# KiCad board everestCM4.kicad_pcb
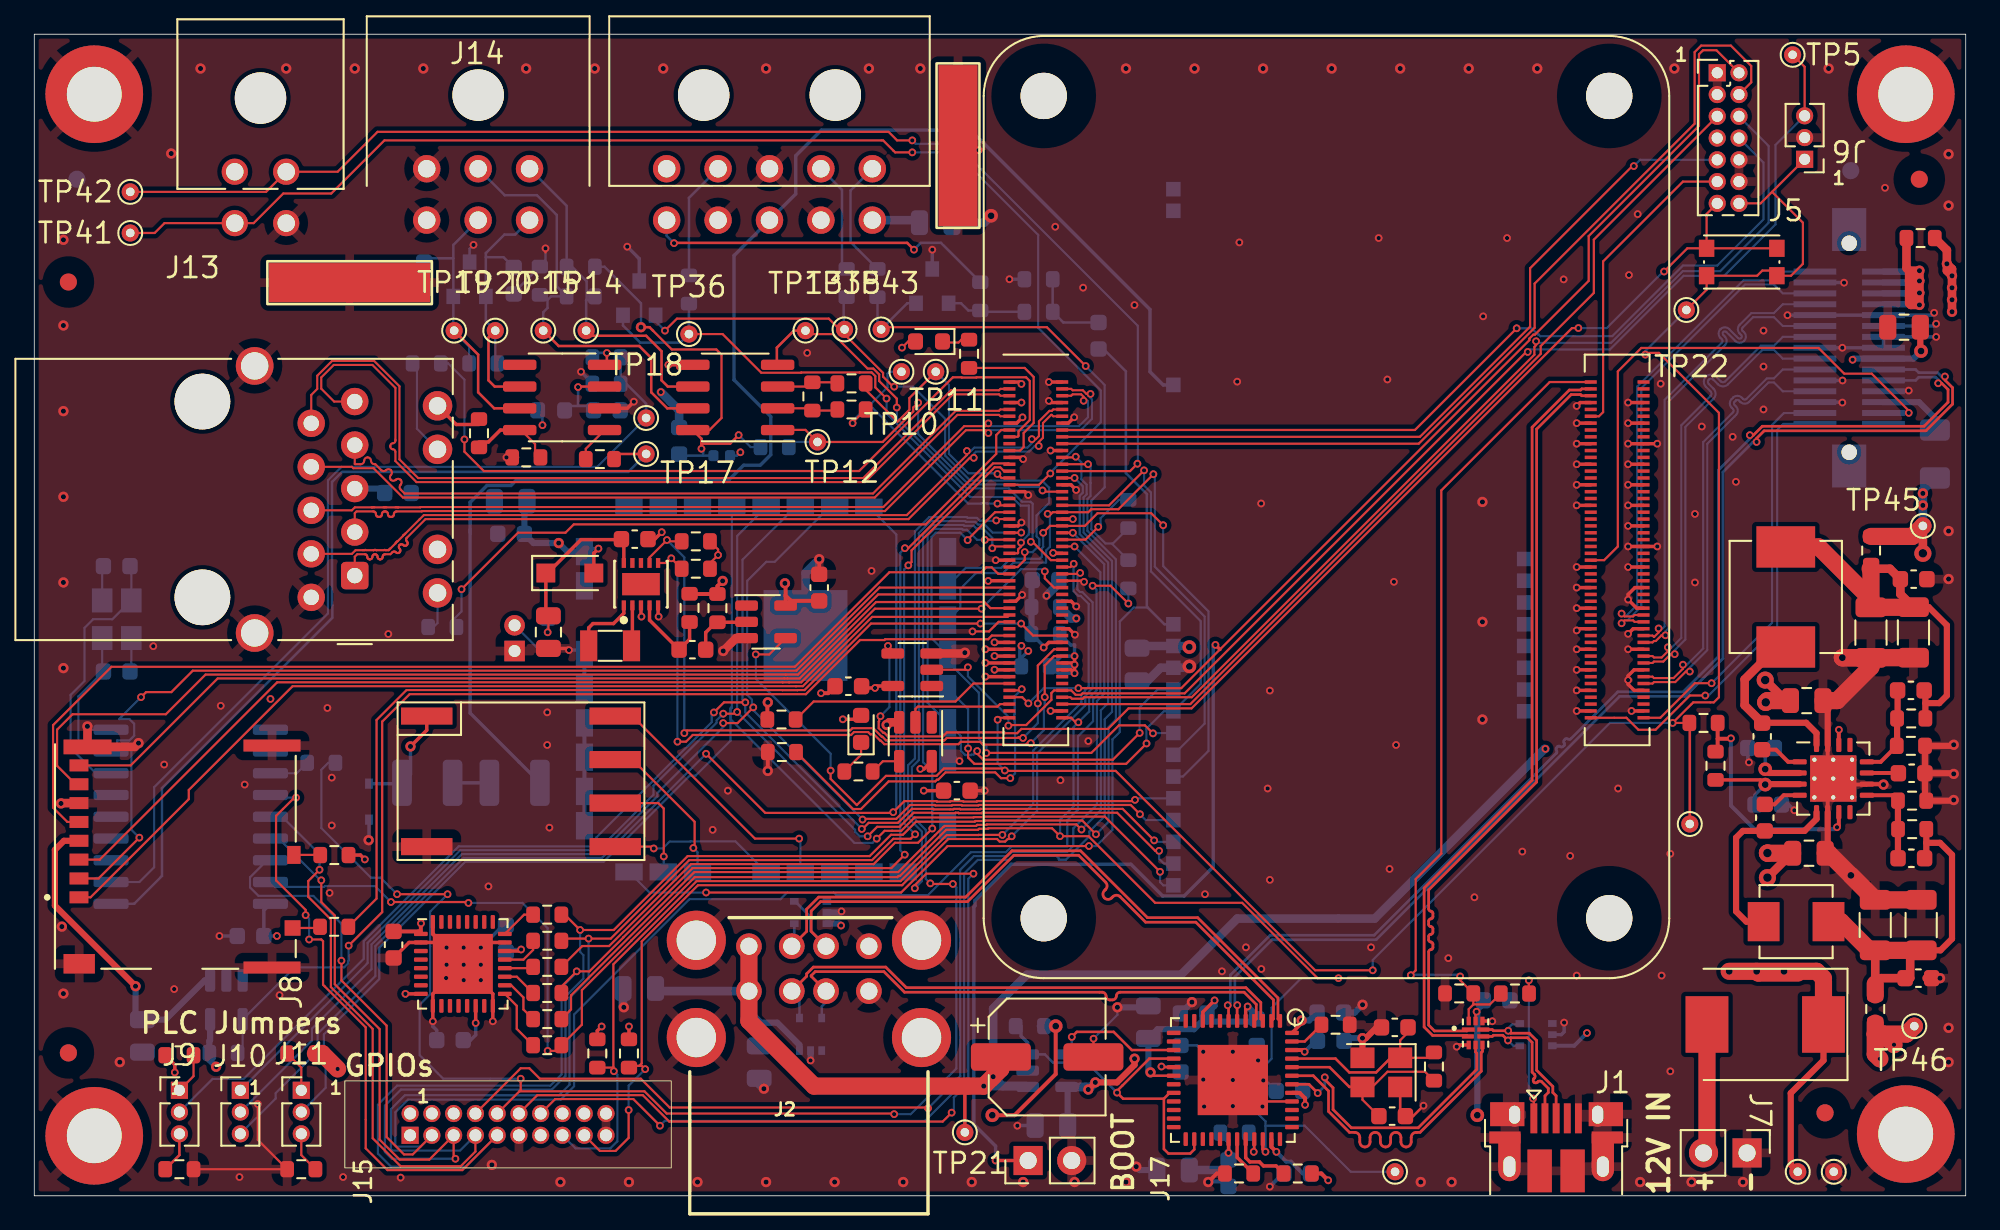
[diagram p0: board, top side]
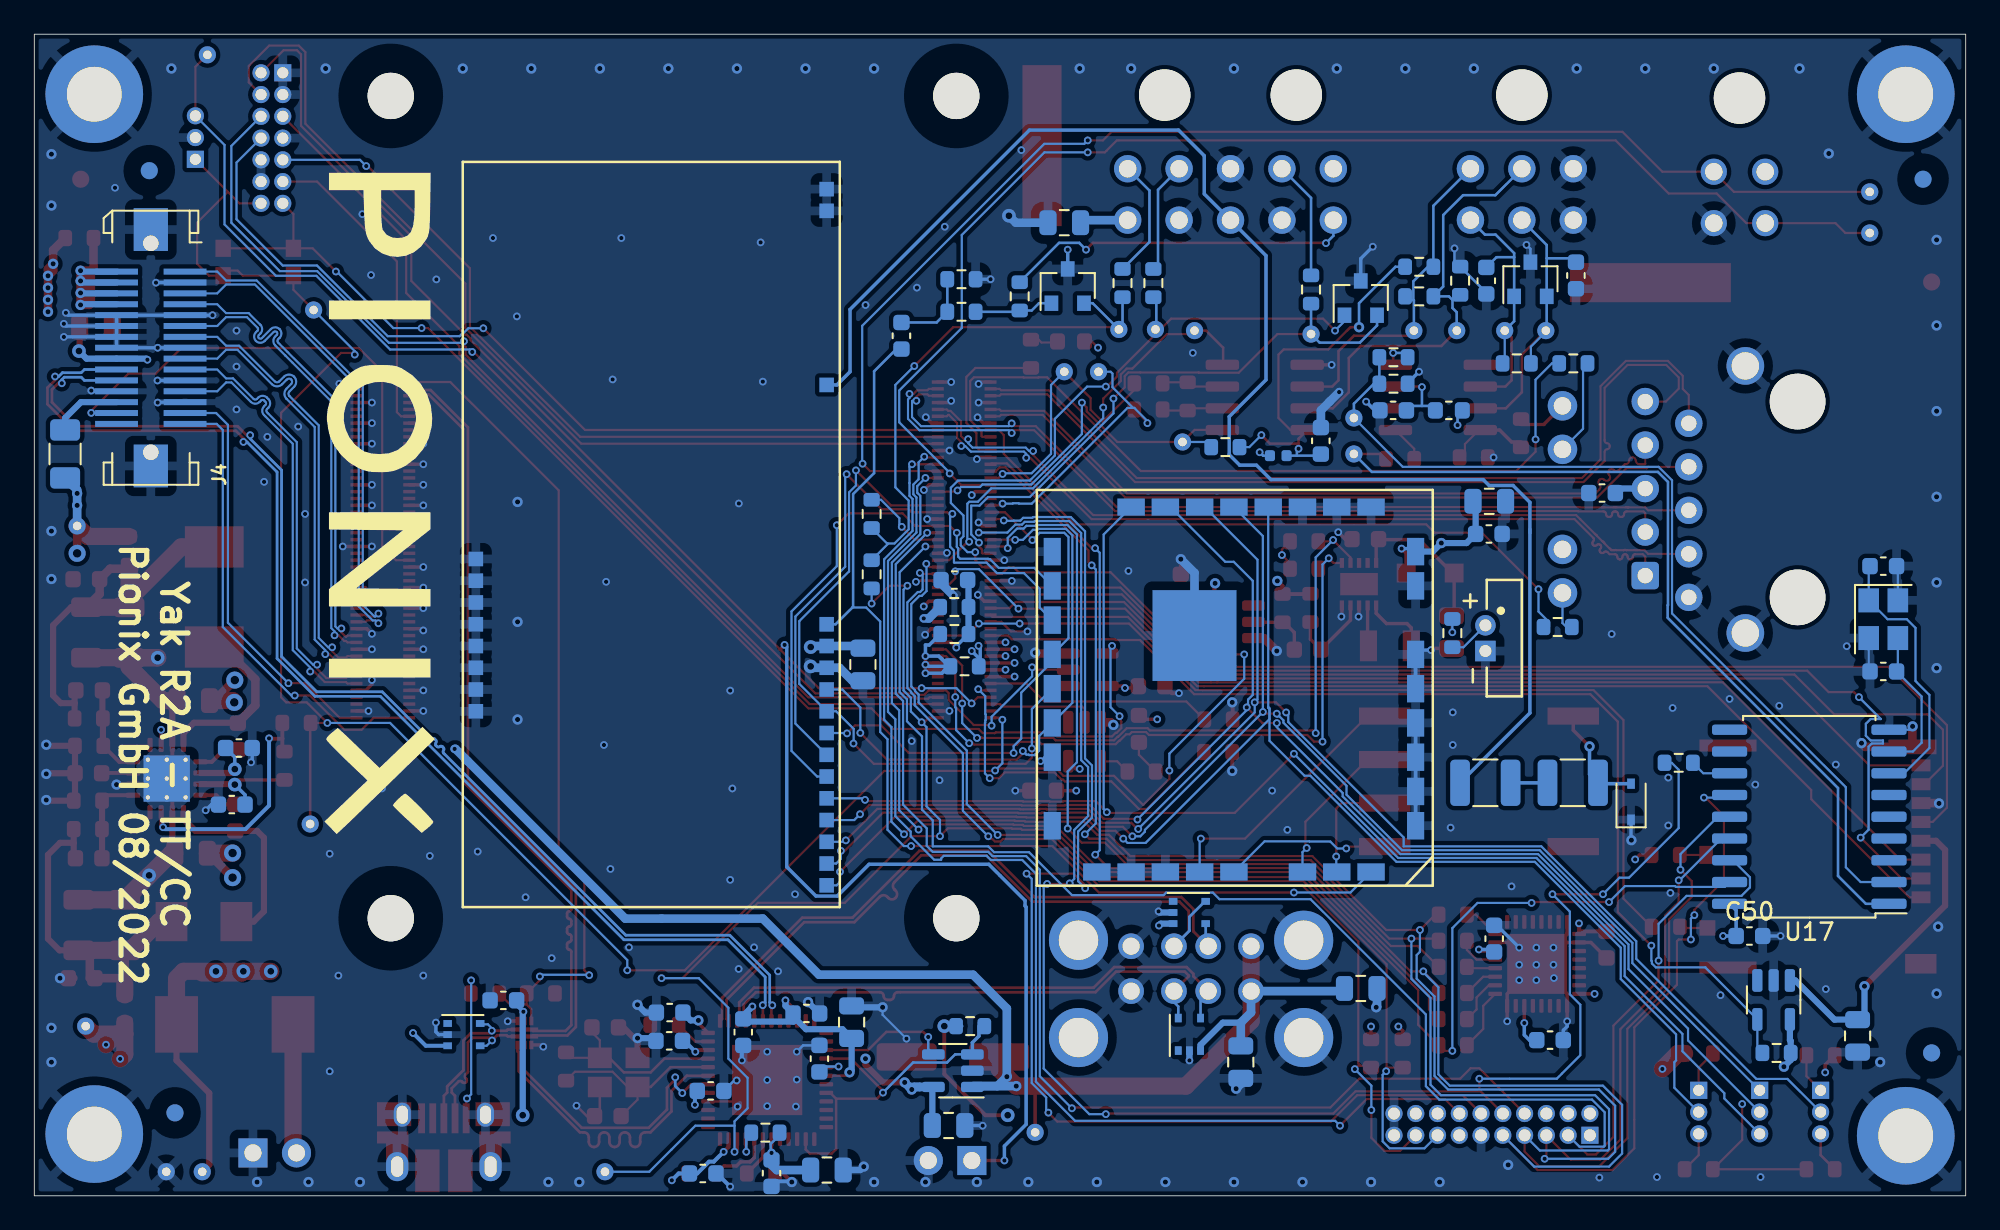
[diagram p1: board, bottom side, seen from below]

Outline 112.7 x 67.8 mm; copper layers: Top, In1.Cu, In2.Cu, Bottom. Coordinates in mm from the lower left corner of the outline.
Outline path: rectangle 0,67.8 112.7,0
Stack: Top 0.035mm / dielectric 0.14mm FR4 er 3.95 / In1.Cu 0.035mm / dielectric 1.2mm FR4 er 3.95 / In2.Cu 0.035mm / dielectric 0.14mm FR4 er 3.95 / Bottom 0.035mm

## Placement (name value [footprint] x y rotation side)
BT1  ML-621S_DN  [Panasonic-ML-621S_DN-0-0-MFG]  26.93 32.55 270 bottom
C1  10uF  [C_0805_2012Metric]  65.01 10.13 90 bottom
C2  18pF  [C_0603_1608Metric]  79.38 9.83 180 top
C3  10uF  [C_0805_2012Metric]  66.45 1.5 180 bottom
C4  100nF  [C_0603_1608Metric]  73.7 1.3 180 bottom
C5  18pF  [C_0603_1608Metric]  79.23 4.65 0 top
C6  100nF  [C_0603_1608Metric]  71.33 9.55 270 bottom
C7  100nF  [C_0603_1608Metric]  73.24 6.12 180 bottom
C8  100nF  [C_0603_1608Metric]  75.63 10.69 0 bottom
C9  100nF  [C_0603_1608Metric]  69.68 1.32 270 bottom
C10  100nF  [C_0603_1608Metric]  67.65 10.64 180 bottom
C11  10uF  [C_0805_2012Metric]  59.35 4.1 180 bottom
C12  100uF  [CP_Elec_6.3x3]  59.1 8.1 0 top
C13  10uF  [C_0805_2012Metric]  109.1 50.7 180 top
C14  10uF  [C_0805_2012Metric]  35.3 12.1 180 bottom
C15  10uF  [C_0805_2012Metric]  42.3 7.8 270 bottom
C16  100nF  [C_0603_1608Metric]  100.76 26.14 0 bottom
C17  100nF  [C_0603_1608Metric]  35.04 38.33 0 top
C18  100nF  [C_0603_1608Metric]  53.83 23.65 180 top
C19  100nF  [C_0603_1608Metric]  45.8 35.5 90 top
C20  100nF  [C_0603_1608Metric]  38.4 31.88 180 top
C21  100nF  [C_0603_1608Metric]  27.52 15.01 90 bottom
C22  100nF  [C_0603_1608Metric]  20.96 14.65 270 top
C23  1uF  [C_0603_1608Metric]  24.26 9.08 180 bottom
C24  10uF  [C_0805_2012Metric]  6.31 9.33 270 bottom
C25  100nF  [C_0603_1608Metric]  85.33 11.41 180 bottom
C26  100nF  [C_0603_1608Metric]  62.1 50.2 90 bottom
C27  10uF  [C_0805_2012Metric]  64.35 31.01 90 bottom
C28  2.7nF 2kV  [C_1210_3225Metric]  28.03 24.11 180 bottom
C29  2.7nF 2kV  [C_1210_3225Metric]  22.93 24.11 180 bottom
C30  DNF  [C_0603_1608Metric]  109.52 19.7 180 top
C31  22uF  [C_1206_3216Metric]  107.42 15.8 90 top
C32  100nF  [C_0603_1608Metric]  100.97 22.07 270 top
C33  10uF  [C_0805_2012Metric]  103.55 19.99 0 top
C34  100nF  [C_0603_1608Metric]  101.18 22.83 0 bottom
C35  1uF  [C_0603_1608Metric]  109.55 24.66 0 top
C36  10uF  [C_0805_2012Metric]  103.42 28.9 180 top
C37  100nF  [C_0603_1608Metric]  100.82 26.81 90 top
C38  22uF  [C_1206_3216Metric]  107.17 32.87 270 top
C39  DNF  [C_0603_1608Metric]  109.5 29.5 180 top
C40  10uF  [C_0805_2012Metric]  30 32.9 270 top
C41  22uF  [C_1206_3216Metric]  110.1 15.8 90 top
C42  22uF  [C_1206_3216Metric]  109.65 32.88 270 top
C43  100nF  [C_0603_1608Metric]  59.01 35.94 0 bottom
C44  100nF  [C_0603_1608Metric]  109.94 12.7 0 top
C45  100nF  [C_0603_1608Metric]  109.66 35.99 0 top
C46  1u  [C_0603_1608Metric]  75.65 9.04 180 bottom
C47  1u  [C_0603_1608Metric]  66.89 8 270 bottom
C48  18pF  [C_0603_1608Metric]  4.81 36.75 180 bottom
C49  18pF  [C_0603_1608Metric]  4.81 30.61 0 bottom
C50  100nF  [C_0603_1608Metric]  12.62 15.16 180 bottom
C53  10uF  [C_0805_2012Metric]  52.6 56.8 0 bottom
C54  100nF  [C_0603_1608Metric]  37.63 44.07 90 bottom
C58  100nF  [C_0603_1608Metric]  33.41 45.85 180 bottom
C59  DNF  [C_0603_1608Metric]  22.74 53.72 90 bottom
C60  DNF  [C_0603_1608Metric]  27.98 53.41 90 bottom
C61  100nF  [C_0603_1608Metric]  47.5 29.74 0 top
C63  100nF  [C_0603_1608Metric]  21.22 41.02 0 bottom
C64  10uF  [C_0805_2012Metric]  27.8 40.54 180 bottom
C65  100nF  [C_0603_1608Metric]  27.82 38.63 180 bottom
D1  RB160MM-30TFTR  [D_SOD-123F]  31.25 36.35 0 top
D2  LED Green  [LED_0603_1608Metric]  52.21 49.87 180 top
D3  LED Red  [LED_0603_1608Metric]  48.24 27.25 90 top
D4  SS32+  [D_SMC]  101 10 180 top
D5  SM3.3H-TP  [SOT-23]  52.4 53.1 90 bottom
D6  SM3.3H-TP  [SOT-23]  35.3 52.4 90 bottom
D8  RESD1CANYFHT116  [SOT-23]  25.4 53.5 90 bottom
D9  GBLC03C  [D_SOD-323]  19.53 23 90 bottom
F2  1206L050  [Fuse_1206_3216Metric]  110.9 43.3 270 bottom
FID1  Fiducial  [Fiducial_1mm_Mask3mm]  104.49 4.84 0 top
FID2  Fiducial  [Fiducial_1mm_Mask3mm]  1.99 8.34 180 bottom
FID3  Fiducial  [Fiducial_1mm_Mask3mm]  2.49 59.34 180 bottom
FID4  Fiducial  [Fiducial_1mm_Mask3mm]  109.99 59.34 0 top
FID5  Fiducial  [Fiducial_1mm_Mask3mm]  1.99 8.34 0 top
FID6  Fiducial  [Fiducial_1mm_Mask3mm]  1.99 53.34 0 top
FID7  Fiducial  [Fiducial_1mm_Mask3mm]  105.99 59.84 180 bottom
FID8  Fiducial  [Fiducial_1mm_Mask3mm]  104.49 4.84 180 bottom
G***  LOGO  [pionix-logo]  92.54 40.41 270 bottom
H1  MountingHole_Pad  [MountingHole_3.2mm_M3_ISO7380_Pad]  3.5 64.3 0 top
H2  MountingHole_Pad  [MountingHole_3.2mm_M3_ISO7380_Pad]  3.5 3.5 0 top
H3  MountingHole_Pad  [MountingHole_3.2mm_M3_ISO7380_Pad]  109.2 64.3 0 top
H4  MountingHole_Pad  [MountingHole_3.2mm_M3_ISO7380_Pad]  109.2 3.6 0 top
J1  USB_OTG  [USB_Micro-B_EDAC_UCON00686]  88.8 1.7 0 top
J2  690-008-221-904  [MOLEX_USB_67298-4090]  45.2 9.23 0 top
J3  WR-MPC3-Male-THT-10  [66201021022]  42.9 59.95 180 top
J4  52901-0374  [Molex_SlimStack_52901-0374_2x15_P0.635mm_Vertical]  105.9 49.5 270 bottom
J5  Conn_02x07_Odd_Even  [PinHeader_2x07_P1.27mm_Vertical]  98.2 65.55 0 top
J6  Conn_01x03  [PinHeader_1x03_P1.27mm_Vertical]  103.3 60.5 180 top
J7  Conn_01x02  [PinHeader_1x02_P2.54mm_Vertical]  99.94 2.5 270 top
J8  Micro_SD_Card_Det  [SDCARD_MOLEX_503398-1892]  8.23 19.8 90 top
J9  GPIO2  [PinHeader_1x03_P1.27mm_Vertical]  8.47 6.16 0 top
J10  GPIOs  [PinHeader_1x03_P1.27mm_Vertical]  12.02 6.16 0 top
J11  GPIO0  [PinHeader_1x03_P1.27mm_Vertical]  15.58 6.16 0 top
J12  Conn_01x01  [S2711-46R_SheildClip]  53.9 61.3 90 top
J13  WR-MPC3-Male-THT-4  [66200421022]  13.2 64.07 180 top
J14  WR-MPC3-Male-THT-6  [66200621022]  25.9 59.95 180 top
J15  Conn_02x10_Odd_Even  [WE62702021621_PinSocket_2x10_P1.27mm_Vertical]  21.93 4.8 90 top
J16  Conn_01x01  [S2711-46R_SheildClip]  18.4 53.3 0 top
J17  Conn_01x02_Male  [PinHeader_1x02_P2.54mm_Vertical]  57.99 2.06 90 top
L2  2A/0.05DCR  [L_0402_1005Metric]  40.12 43.2 180 bottom
L3  2A/0.05DCR  [L_0603_1608Metric]  30.16 45.85 180 bottom
L4  2.2uH  [L_Vishay_IHLP-1616]  102.8 16 180 top
L5  4.7uH  [L_Vishay_IHLP-2525]  102.2 34.95 90 top
Module2  ComputeModule4  [Raspberry-Pi-4-Compute-Module]  58.9 16.2 0 top
R1  0R  [R_0603_1608Metric]  63.84 39.8 270 bottom
R2  DNF  [R_0603_1608Metric]  63.84 36.27 270 bottom
R3  2.2K  [R_0603_1608Metric]  83.14 11.81 180 top
R4  2.2K  [R_0603_1608Metric]  86.4 11.8 180 top
R5  10K  [R_0603_1608Metric]  70.3 1.3 180 top
R6  10K  [R_0603_1608Metric]  70.04 3.68 180 bottom
R7  1K  [R_0603_1608Metric]  29.96 32.84 90 bottom
R8  12K 1%  [R_0603_1608Metric]  75.93 9.98 180 top
R9  10K  [R_0603_1608Metric]  73.73 1.3 0 top
R10  DNF  [R_0603_1608Metric]  58.09 9.9 180 bottom
R11  0R  [R_0603_1608Metric]  107.42 10.9 270 top
R12  510K 1%  [R_0603_1608Metric]  38.24 34.31 90 top
R13  510K 1%  [R_0603_1608Metric]  39.86 34.3 90 top
R14  2.2K  [R_0603_1608Metric]  38.6 38.2 180 top
R15  2.2K  [R_0603_1608Metric]  38.6 36.6 180 top
R16  2.2K  [R_0603_1608Metric]  32.85 8.3 270 top
R17  2.2K  [R_0603_1608Metric]  34.7 8.3 270 top
R18  DNF  [R_0603_1608Metric]  58.42 30.91 180 bottom
R19  1K  [R_0603_1608Metric]  54.54 49.15 270 top
R20  DNF  [R_0603_1608Metric]  43.6 27.8 180 top
R21  DNF  [R_0603_1608Metric]  43.62 25.9 180 top
R22  1K  [R_0603_1608Metric]  48.09 24.76 0 top
R23  DNF  [R_0603_1608Metric]  17.51 19.89 180 top
R24  DNF  [R_0603_1608Metric]  17.5 15.7 180 top
R25  470R  [R_0603_1608Metric]  22.9 48.59 180 bottom
R26  470R  [R_0603_1608Metric]  23.81 33.2 180 bottom
R27  12K 1%  [R_0603_1608Metric]  11.04 8.34 0 bottom
R28  10K  [R_0603_1608Metric]  8.47 8.2 180 top
R29  10K  [R_0603_1608Metric]  8.47 1.55 180 top
R30  10K  [R_0603_1608Metric]  58.6 51.6 0 bottom
R31  10K  [R_0603_1608Metric]  58.6 53.5 180 bottom
R32  10K  [R_0603_1608Metric]  15.58 8.3 0 top
R33  10K  [R_0603_1608Metric]  15.58 1.55 0 top
R34  DNF  [R_0603_1608Metric]  25.95 44.51 270 top
R35  1K  [R_0603_1608Metric]  16.75 25.27 0 bottom
R36  1M  [R_0603_1608Metric]  81.67 7.54 270 top
R37  0R  [R_0603_1608Metric]  110.07 55.9 0 top
R38  73.2K  [R_0603_1608Metric]  109.58 21.4 180 top
R39  22.1K  [R_0603_1608Metric]  109.57 23.06 0 top
R40  0R  [R_0603_1608Metric]  97.4 27.6 0 top
R41  220  [R_0603_1608Metric]  55.2 52.5 270 bottom
R42  220  [R_0603_1608Metric]  49.2 53.27 270 bottom
R43  220  [R_0603_1608Metric]  47.4 53.27 270 bottom
R44  220  [R_0603_1608Metric]  38.2 52.9 270 bottom
R45  DNF  [R_0603_1608Metric]  29.93 8.79 180 top
R46  DNF  [R_0603_1608Metric]  47.69 45.9 0 top
R47  0R  [R_0603_1608Metric]  47.69 47.42 0 top
R48  10K  [R_0603_1608Metric]  43.2 43.7 0 bottom
R49  470R  [R_0603_1608Metric]  31.89 54.23 180 bottom
R50  120R  [R_0603_1608Metric]  31.89 52.5 180 bottom
R51  470R  [R_0603_1608Metric]  29.5 53.41 90 bottom
R52  0R  [R_0603_1608Metric]  28.71 43.1 180 top
R53  0R  [R_0603_1608Metric]  33 43 180 top
R54  680R  [R_0603_1608Metric]  33.39 47.4 180 bottom
R55  0R  [R_0603_1608Metric]  33.39 48.94 180 bottom
R56  0R  [R_0603_1608Metric]  59.01 34.36 180 bottom
R57  DNF  [R_0603_1608Metric]  59.01 32.79 180 bottom
R58  120R  [R_0603_1608Metric]  26.2 48.59 0 bottom
R59  DNF  [R_0603_1608Metric]  98.1 25.1 90 top
R60  124K  [R_0603_1608Metric]  109.52 27.86 180 top
R61  22.1K  [R_0603_1608Metric]  109.5 26.26 0 top
R62  0R  [R_0603_1608Metric]  107.18 37.66 270 top
R63  DNF  [R_0603_1608Metric]  29.93 11.83 180 top
R64  DNF  [R_0603_1608Metric]  29.93 13.36 180 top
R65  DNF  [R_0603_1608Metric]  29.93 16.41 180 top
R66  DNF  [R_0603_1608Metric]  29.93 14.88 180 top
R67  DNF  [R_0603_1608Metric]  29.93 10.31 180 top
R68  0R  [R_0603_1608Metric]  45.4 46.66 90 top
SW1  SW_Push  [SW_Push_1P1T_NO_CK_KMR2]  99.63 54.5 180 top
T1  -  [YT-35636]  28.4 28 0 top
TP3  TestPoint  [TestPoint_THTPad_D1.0mm_Drill0.5mm]  105 1.4 0 top
TP4  TestPoint  [TestPoint_THTPad_D1.0mm_Drill0.5mm]  96.6 21.7 0 top
TP5  TestPoint  [TestPoint_THTPad_D1.0mm_Drill0.5mm]  102.6 66.6 0 top
TP10  TestPoint  [TestPoint_THTPad_D1.0mm_Drill0.5mm]  50.6 48.1 0 top
TP11  TestPoint  [TestPoint_THTPad_D1.0mm_Drill0.5mm]  52.6 48.1 0 top
TP12  TestPoint  [TestPoint_THTPad_D1.0mm_Drill0.5mm]  45.7 44 0 top
TP13  TestPoint  [TestPoint_THTPad_D1.0mm_Drill0.5mm]  45 50.5 0 top
TP14  TestPoint  [TestPoint_THTPad_D1.0mm_Drill0.5mm]  32.2 50.5 0 top
TP15  TestPoint  [TestPoint_THTPad_D1.0mm_Drill0.5mm]  29.7 50.5 0 top
TP17  TestPoint  [TestPoint_THTPad_D1.0mm_Drill0.5mm]  35.7 43.3 0 top
TP18  TestPoint  [TestPoint_THTPad_D1.0mm_Drill0.5mm]  35.7 45.4 0 top
TP19  TestPoint  [TestPoint_THTPad_D1.0mm_Drill0.5mm]  24.5 50.5 0 top
TP20  TestPoint  [TestPoint_THTPad_D1.0mm_Drill0.5mm]  26.9 50.5 0 top
TP21  TestPoint  [TestPoint_THTPad_D1.0mm_Drill0.5mm]  54.3 3.7 0 top
TP22  TestPoint  [TestPoint_THTPad_D1.0mm_Drill0.5mm]  96.4 51.7 0 top
TP23  TestPoint  [TestPoint_THTPad_D1.0mm_Drill0.5mm]  79.4 1.4 0 top
TP35  TestPoint  [TestPoint_THTPad_D1.0mm_Drill0.5mm]  47.28 50.57 0 top
TP36  TestPoint  [TestPoint_THTPad_D1.0mm_Drill0.5mm]  38.2 50.3 0 top
TP41  TestPoint  [TestPoint_THTPad_D1.0mm_Drill0.5mm]  5.6 56.2 0 top
TP42  TestPoint  [TestPoint_THTPad_D1.0mm_Drill0.5mm]  5.6 58.6 0 top
TP43  TestPoint  [TestPoint_THTPad_D1.0mm_Drill0.5mm]  49.41 50.57 0 top
TP44  TestPoint  [TestPoint_THTPad_D1.0mm_Drill0.5mm]  102.9 1.4 0 top
TP45  TestPoint  [TestPoint_THTPad_D1.0mm_Drill0.5mm]  110.2 39.1 0 top
TP46  TestPoint  [TestPoint_THTPad_D1.0mm_Drill0.5mm]  109.7 9.9 0 top
U1  SP3003-02XJ  [SC70-5]  45.3 16.53 180 bottom
U2  USB2514_48pin  [QFN-48-1EP_7x7mm_P0.5mm_EP4.1x4.1mm]  69.94 6.75 270 top
U3  SP3003-02XJ  [SC70-5]  87.63 9.41 180 bottom
U4  AP22804AW5-7  [SOT-23-5]  59.1 7.3 0 bottom
U5  PCF85063ATL  [NXP_Semiconductors-SOT1197-1-02_2016-0-MFG]  35.4 35.7 90 top
U6  Molex-93628-3721  [RJ45_Molex_93628-3721_Horizontal]  18.7 36.2 180 top
U7  74LVC1G07QW5-7  [SOT-23-5]  42.7 33.5 0 top
U8  74LVC1G07QW5-7  [SOT-23-5]  51.23 30.7 180 top
U9  SLB9670  [VQFN-32-1EP_5x5mm_P0.5mm_EP3.5x3.5mm]  25.01 13.53 0 top
U10  74LVC1G07QW5-7  [SOT-23-5]  51.42 26.5 270 top
U11  TPS54394RSA  [QFN-16-1EP_4x4mm_P0.65mm_EP2.7x2.7mm_ThermalVias]  104.97 24.35 0 top
U12  PI3USB102ZLEX  [SW_PI3USB102ZLEX]  84.1 9.5 0 top
U13  AP22804AW5-7  [SOT-23-5]  11.21 11.43 270 bottom
U14  PLC_RED_Beet_E  [PLC_RED_Beet]  32.1 40.2 270 bottom
U15  -  [PLC_Stamp_mini_2]  76.7 38.6 270 bottom
U16  SP3003-02XJ  [SC70-5]  45.3 9.42 90 bottom
U17  MCP2515-xSO  [SOIC-18W_7.5x11.6mm_P1.27mm]  9.13 22.12 0 bottom
U21  ADM3485EARZ  [SOIC-8_3.9x4.9mm_P1.27mm]  40.9 46.6 180 top
U22  SN65HVD230  [SOIC-8_3.9x4.9mm_P1.27mm]  30.8 46.6 180 top
Y1  24MHz  [Crystal_SMD_Abracon_ABM8G-4Pin_3.2x2.5mm]  78.6 7.2 180 top
Y2  X32K768S301  [Crystal_SMD_3215-2Pin_3.2x1.5mm]  33.6 32.1 0 top
Y3  16MHz  [Crystal_SMD_Abracon_ABM8G-4Pin_3.2x2.5mm]  4.81 33.65 270 bottom

## Library data of the parts
BT1 = -: Field4: Digikey; Field5: PO44-ND; Field7: Panasonic; Part Description: ML-621S/DK Secondary Coin Lithium Battery; automotive: No; category: Batt; device class L1: Passive Components; device class L2: unset; device class L3: unset; digikey description: BATTERY LITH 3V 5MAH COIN 6.8MM; digikey part number: P044-ND; footprint url: https://media.digikey.com/pdf/Other%20Related%20Documents/Panasonic%20Other%20Doc/ML%20Series%20Tab%20Configurations.pdf; height: 7.75mm; library id: 8888a9aeb6237981; manufacturer: Panasonic; mouser description: Coin Cell Battery 3V 5.0 mAh RECHG 2PIN FLAT SMT-NO INS / \n / \n / \n; mouser part number: 658-ML-621S/DN; package: BATTERY; temperature range high: +60°C; temperature range low: -20°C
C1 C3 C11 C13-C15 C24 C27 C33 C36 C40 C53 C64 = -: Field4: Digikey; Field5: 587-3319-1-ND; Field6: EMK212BB7106MG-T; Field7: Taiyo Yuden; STANDARD: 10uF 10% 16V Ceramic Capacitor X7R 0805 (2012 Metric)
C2 C5 C46-C49 = -: Field4: Digikey; Field5: 478-0402YA180KAT2ACT-ND; Field6: 0402YA180KAT2A; Field7: Kyocera; STANDARD: 18pF 10% 16V Ceramic Capacitor COG 0402 (1005 Metric)
C4 C6-C10 C16-C22 C25 C26 C32 C34 C37 C43-C45 C50 C54 C58 C61 C63 C65 = -: Field4: Farnell; Field5: 9402047RL; Field6: CC0402KRX7R7BB104; Field7: Yageo; STANDARD: 100nF 10% 16V Ceramic Capacitor X7R 0402 (1005 Metric)
C12 = -: Field4: Digikey; Field5: P16468CT-ND; Field6: 16SVPC100M; Field7: Panasonic; Part Description: 100 µF 16 V Aluminum - Polymer Capacitors Radial, Can - SMD 24mOhm 2000 Hrs @ 105°C
C23 C35 = -: Field4: Digikey; Field5: CM105X7R105K25AT; Field6: 478-CM105X7R105K25ATCT-ND; Field7: KYOCERA AVX; STANDARD: 1uF 10% 25V Ceramic Capacitor X7R 0603 (1608 Metric)
C28 C29 = -: Field4: Farnell; Field5: 1886059; Field6: 202S41W272KV4E; Field7: Johanson; Part Description: SMD Multilayer Ceramic Capacitor, 2700 pF, 2 kV, 1210 [3225 Metric], ± 10%, X7R, -55 °C
C31 C38 C41 C42 = -: Field4: Farnell; Field5: 2112748; Field6: LMK316AB7226ML-TR; Field7: TAIYO YUDEN; Part Description: SMD Multilayer Ceramic Capacitor, 22 µF, 10 V, 1206 [3216 Metric], ± 20%, X7R, -55 °C
D1 = -: Field4: Farnell; Field5: 2693987; Field7: Rohm; Part Description: 30V 1A SOD-123F 480mV Schottky Diode
D2 = -: Field4: Digikey; Field5: LTST-S270KGKT; Field6: SML-A12M8TT86N; Field7: Rohm; Part Description: Green 572nm LED Indication - Discrete 2.2V 2-SMD, No Lead
D3 = -: Field4: Digikey; Field5: LTST-S270KRKT; Field6: SML-A12U8TT86Q; Field7: Rohm; Part Description: Red 620nm LED Indication - Discrete 2.2V 2-SMD, No Lead
D4 = -: Field4: Farnell; Field6: 2675142; Field7: Multicomp; Part Description: Schottky Rectifier, 20 V, 3 A, Single, DO-214AB (SMC), 2 Pins, 550 mV
D5 D6 = -: Field4: Digikey; Field5: 353-SM3.3H-TPCT-ND; Field7: Micro Commercial; Part Description: 2.5V Clamp 40A (8/20µs) Ipp Tvs Diode Surface Mount SOT-23
D8 = -: Field4: Mouser; Field5: 755-RESD1CANYFHT116; Field7: ROHM; Part Description: TVS Diode for CAN Bus
D9 = -: Field4: Digikey; Field5: 3372-GBLC03CTR-ND; Field7: NextGen Components; Part Description: Clamp 1A (8/20µs) Ipp Tvs Diode Surface Mount SOD-323
F2 = -: Field4: Digikey; Field5: F2112CT-ND; Field6: 1206L050YR; Field7: Littlefuse; Part Description: Polymeric PTC ReseFuse 6V 500 mA Ih Surface Mount 1206 (3216 Metric), Concave
J1 = -: Field4: Digikey; Field5: 609-4050-2-ND; Field6: 690-005-298-486; Field7: EDAC; Part Description: USB - micro B USB 2.0 Receptacle Connector 5 Position Surface Mount, Right Angle; Through Hole
J2 = -: Field4: Farnell; Field5: 2751688; Field6: None; Field7: Molex; Part Description: USB-A (USB TYPE-A), Stacked Receptacle Connector 8 Position Through Hole, Right Angle
J3 = -: Field4: Digikey; Field5: 732-4722-5-ND; Field6: 66201021022; Field7: Wurth; Part Description: Connector Header Through Hole, Right Angle 10 position 0.118" (3.00mm); Field11: REF**; Field12: REF**
J4 = -: Field4: Digikey; Field5: WM6776CT-ND; Field7: Molex; Part Description: 30 Position Connector Receptacle, Center Strip Contacts Surface Mount Gold
J5 = -: Field4: Farnell; Field5: 2356246; Field6: 62201421121; Field7: Wurth; Part Description: Pin Header, Vertical, Board-to-Board, 1.27 mm, 2 Rows, 14 Contacts, Through Hole Straight, WR-PHD
J6 J9-J11 = -: Field4: Farnell; Field5: 3226046; Field6: M50-3530342; Field7: Harwin; Part Description: Pin Header, Board-to-Board, 1.27 mm, 1 Rows, 3 Contacts, Through Hole, Archer M50-353
J7 = -: Field4: DNF
J8 = -: Field4: Farnell; Field5: 2358234; Field6: 503398-1892; Field7: Molex; Part Description: 9 (8 + 1) Position Card Connector microSD™ Surface Mount, Right Angle Gold
J12 J16 = -: Field4: Digikey; Field5: 952-2292-1-ND; Field6: S2711-46R; Field7: Harwin; Part Description: Sheilding Clip
J13 = -: Field4: Wurth; Field5: 66200421022; Field6: 66200421022; Field7: Wurth; Part Description: Pin Header, Plastic Peg, Wire-to-Board, 3 mm, 2 Rows, 4 Contacts, Through Hole Right Angle, WR-MPC3; Field9: 1
J14 = -: Field4: Mouser; Field5: 710-66200621022; Field6: 66200621022; Field7: Wurth; Part Description: Pin Header, Plastic Peg, Wire-to-Board, 3 mm, 2 Rows, 6 Contacts, Through Hole Right Angle, WR-MPC3
J15 = -: Field4: Farnell; Field5: 1022305; Field6: M50-3500542; Field7: Harwin; Part Description: Pin Header, Board-to-Board, 1.27 mm, 2 Rows, 10 Contacts, Through Hole, Archer M50
L2 L3 = -: Field4: Farnell; Field5: 3288291; Field6: MPZ1005S121HT000; Field7: TDK; Part Description: Ferrite Bead, 0402 [1005 Metric], 120 ohm, 2 A, MPZ-H, 0.055 ohm, ± 25%
L4 = -: Field4: Farnell; Field5: 1741304; Field6: IHLP1616BZER2R2M11; Field7: Vishay; Part Description: Power Inductor (SMD), 2.2 µH, 3.25 A, Shielded, 3.25 A, 4.45mm x 4.06mm x 2mm
L5 = -: Field4: Mouser; Field5: IHLP2525CZER4R7M11; Field6: IHLP2525CZER4R7M11; Field7: Vishay; Part Description: Power Inductor (SMD), 4.7 µH, 4 A, Shielded,  6.47mm x 6.47mm x 3mm
Module2 = -: Field4: Farnell; Field5: 2427679; Field6: 2off DF40C-100DS-0.4V; Field7: Hirose; Part Description: 100 Position Connector Receptacle, Center Strip Contacts Surface Mount Gold
R1 R40 = -: Field4: Farnell; Field5: 2693092; Field6: CRCW06030000ZSTA; Field7: Vishay; STANDARD: Resistor 0R 50V 0603 M1608 1% 100mW
R3 R4 R14-R17 = -: Field4: Farnell; Field5: 9239278; Field6: RC0402FR-072K2L; Field7: Yageo; STANDARD: Resistor 2.2K 50V 0402 M1005 1% 63mW
R5 R6 R9 R36 = -: Field4: Farnell; Field5: 1458788; Field6: MCR01MZPF3602; Field7: Rohm; STANDARD: Resistor 36K 50V 0402 M1005 1% 63mW
R7 R12 R13 = -: Field4: Farnell; Field5: 1458807; Field6: RC0402FR-07510KL; Field7: Yageo; STANDARD: Resistor 510K 50V 0402 M1005 1% 63mW
R8 R27 = -: Field4: Farnell; Field5: 9239367; Field6: MCR01MZPF1202; Field7: Rohm; STANDARD: Resistor 12K 50V 0402 M1005 1% 63mW
R11 R37 R62 = -: Field4: Mouser; Field5: 652-CR1206-J/-000ELF; Field6: CR1206-J/-000ELF; Field7: Bourns; STANDARD: Resistor 0R 1206 M3216 1% 100mW
R19 R22 = -: Field4: Farnell; Field5: 9239235; Field6: RC0402FR-071KL; Field7: Yageo; STANDARD: Resistor 1K 50V 0402 M1005 1% 63mW
R25 R26 R49 R51 = -: Field4: Farnell; Field5: 9239197; Field6: RC0402FR-07470RL; Field7: Yageo; STANDARD: Resistor 470R 50V 0402 M1005 1% 63mW
R28-R33 R48 = -: Field4: Farnell; Field5: 3495224RL; Field6: AC0603FR-0710KL; Field7: Yageo; STANDARD: Resistor 10K 50V 0603 M1608 1% 100mW
R35 R46 R47 R52 R53 R55 R56 R68 = -: Field4: Digikey; Field5: CR0402AJ/-000GASCT-ND; Field6: CR0402AJ/-000GAS; Field7: Bourns Inc.; STANDARD: Resistor 0R 0402 M1005 1% 63mW
R38 = -: Field4: Farnell; Field5: 2138484; Field6: CRCW060373K2FKEA.; Field7: Vishay; STANDARD: Resistor 73.2K 50V 0603 M1608 1% 100mW